# Altium PCB RTM_SFP.PcbDoc (part 14 of 17) (continued)
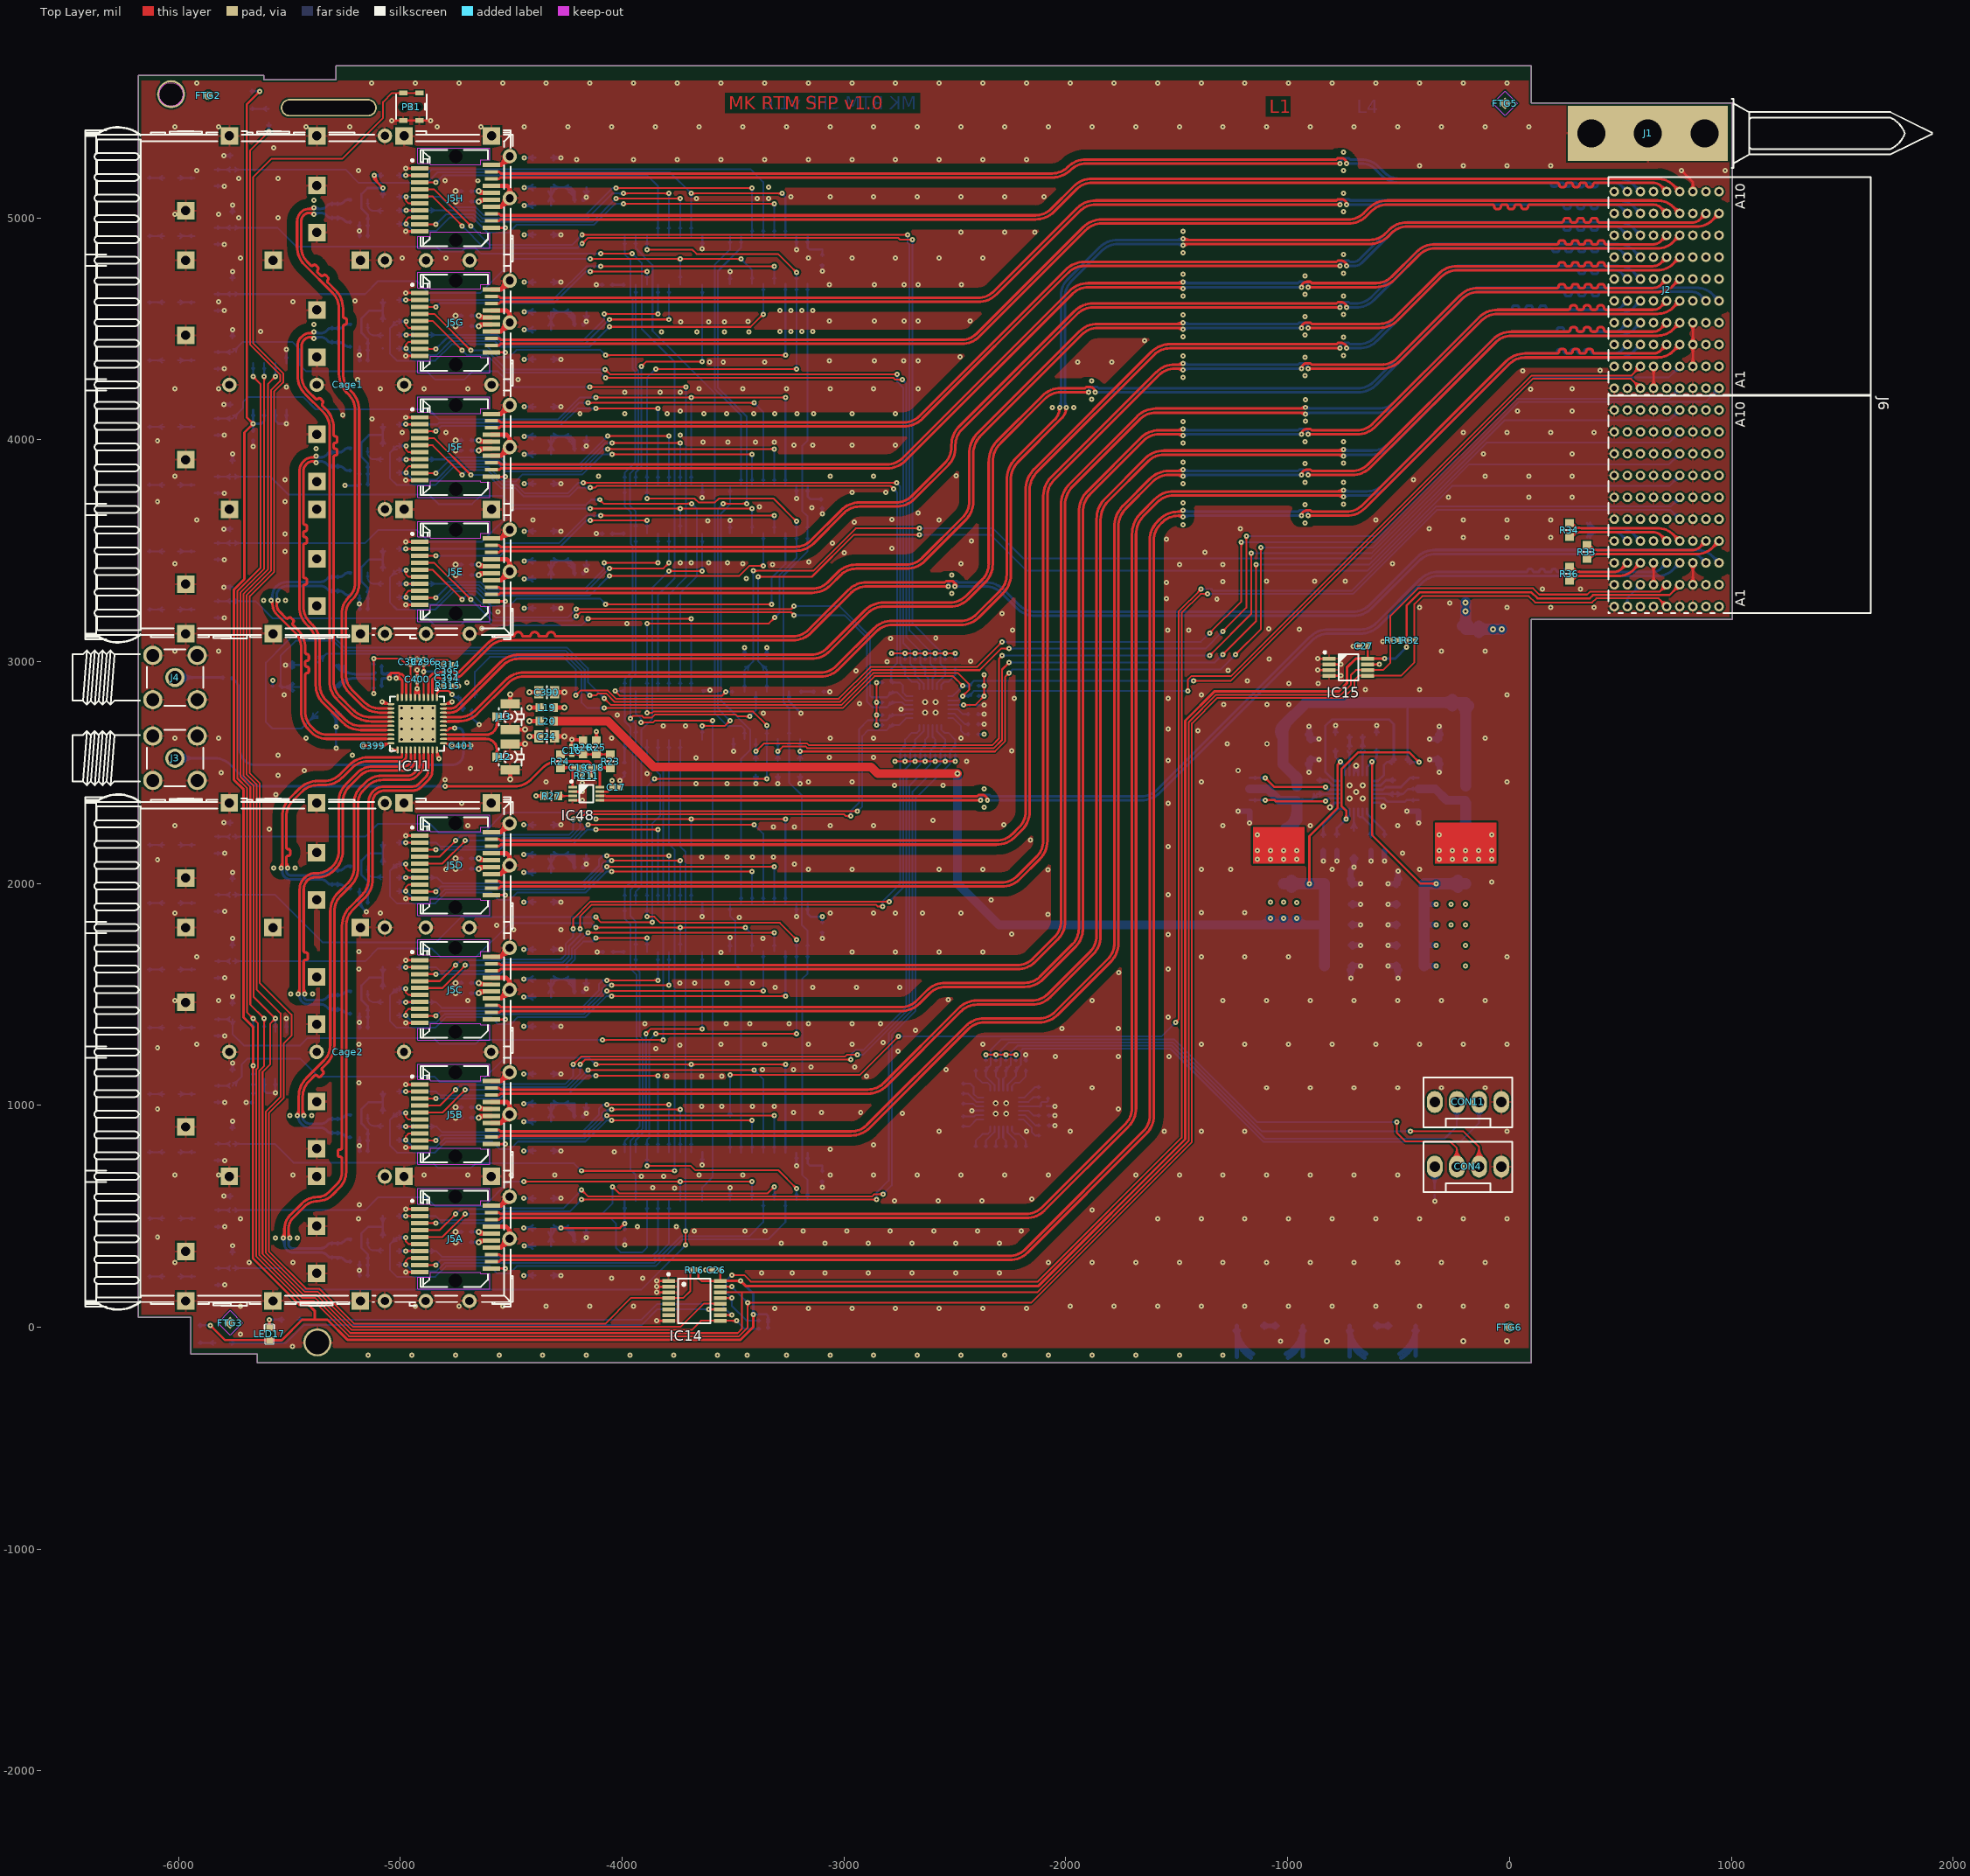
[diagram p0: Top Layer view]
## Nets (pads, with @x,y where several pads share a name; then routed paths per layer and width w, separated by ;. In a path a pad name is that pad's centre, name@x,y a point inside that pad or via, vN(x,y) a via of type N, cw(c..) or ccw(c..) an arc to the next point about the centre after c; other vN are vias at no path point) (continued)
SFP_LED1_4: IC4.11 IC5.6 R10E.2 T2E.1 | length 3364.8
  Top Layer w7.99: v1(-4143.31,3690.4) v1(-3738.78,3690.4) ; v1@-3736.66,3690.4 v1(-3414.17,3690.4) ; -4124.44,3690.4 cw(c-4124.44,3709.26) -4137.78,3695.92 ccw(c-4124.44,3709.26) -4124.44,3690.4 ; -4124.44,3690.4 ccw(c-4124.44,3671.53) -4137.78,3684.87 cw(c-4124.44,3671.53) -4124.44,3690.4 ; -3757.65,3690.4 cw(c-3757.65,3671.53) -3744.31,3684.87 ccw(c-3757.65,3671.53) -3757.65,3690.4 ; -3757.65,3690.4 ccw(c-3757.65,3709.26) -3744.31,3695.92 cw(c-3757.65,3709.26) -3757.65,3690.4 ; -3719.91,3690.4 cw(c-3719.91,3709.26) -3733.25,3695.92 ccw(c-3719.91,3709.26) -3719.91,3690.4 ; -3719.91,3690.4 ccw(c-3719.91,3671.53) -3733.25,3684.87 cw(c-3719.91,3671.53) -3719.91,3690.4 ; -3433.04,3690.4 cw(c-3433.04,3671.53) -3419.7,3684.87 ccw(c-3433.04,3671.53) -3433.04,3690.4 ; -3433.04,3690.4 ccw(c-3433.04,3709.26) -3419.7,3695.92 cw(c-3433.04,3709.26) -3433.04,3690.4
  Bottom Layer w7.99: T2E.1@-5836.61,3534.45 R10E.2@-5756.69,3534.45 -5158.86,3534.45 -5100.79,3592.52 -4925.59,3592.52 -4873.23,3540.16 -4631.1,3540.16 -4480.86,3690.4 v1(-4143.31,3690.4) ; T2E.1@-5822.52,3528.23 cw(c-5807.5,3513.21) -5807.5,3534.45 cw(c-5807.5,3555.69) T2E.1@-5822.52,3540.67 ; R10E.2@-5768.36,3524.75 ccw(c-5791.79,3501.32) -5791.79,3534.45 ccw(c-5791.79,3567.57) R10E.2@-5768.36,3544.15 ; R10E.2@-5745.02,3524.75 cw(c-5721.6,3501.32) -5721.6,3534.45 cw(c-5721.6,3567.57) R10E.2@-5745.02,3544.15 ; IC4.11@-3744.44,3610.13 ccw(c-3758.1,3623.8) -3738.78,3623.8 ccw(c-3719.46,3623.8) IC4.11@-3733.12,3610.13 ; IC4.11@-3738.78,3576.47 v1(-3738.78,3690.4) ; IC5.6@-3419.7,3604.4 ccw(c-3433.04,3617.74) -3414.17,3617.74 ccw(c-3395.31,3617.74) IC5.6@-3408.65,3604.4 ; IC5.6@-3414.17,3580.17 v1(-3414.17,3690.4) ; -4162.17,3690.4 cw(c-4162.17,3671.53) -4148.83,3684.87 ccw(c-4162.17,3671.53) -4162.17,3690.4 ; -4162.17,3690.4 ccw(c-4162.17,3709.26) -4148.83,3695.92 cw(c-4162.17,3709.26) -4162.17,3690.4 ; -3738.78,3671.53 cw(c-3719.91,3671.53) -3733.25,3684.87 ccw(c-3719.91,3671.53) -3738.78,3671.53 ; -3738.78,3671.53 ccw(c-3757.65,3671.53) -3744.31,3684.87 cw(c-3757.65,3671.53) -3738.78,3671.53 ; -3414.17,3671.53 cw(c-3395.31,3671.53) -3408.65,3684.87 ccw(c-3395.31,3671.53) -3414.17,3671.53 ; -3414.17,3671.53 ccw(c-3433.04,3671.53) -3419.7,3684.87 cw(c-3433.04,3671.53) -3414.17,3671.53
SFP_LED1_5: IC6.7 IC7.14 R10D.2 T2D.1 | length 4032.2
  Top Layer w7.99: v1(-4118.9,2290.15) v1(-3688.78,2290.15) v1(-3264.17,2290.15) ; -4100.03,2290.15 cw(c-4100.03,2309.02) -4113.37,2295.68 ccw(c-4100.03,2309.02) -4100.03,2290.15 ; -4100.03,2290.15 ccw(c-4100.03,2271.28) -4113.37,2284.62 cw(c-4100.03,2271.28) -4100.03,2290.15 ; -3707.65,2290.15 cw(c-3707.65,2271.28) -3694.31,2284.62 ccw(c-3707.65,2271.28) -3707.65,2290.15 ; -3707.65,2290.15 ccw(c-3707.65,2309.02) -3694.31,2295.68 cw(c-3707.65,2309.02) -3707.65,2290.15 ; -3669.91,2290.15 cw(c-3669.91,2309.02) -3683.25,2295.68 ccw(c-3669.91,2309.02) -3669.91,2290.15 ; -3669.91,2290.15 ccw(c-3669.91,2271.28) -3683.25,2284.62 cw(c-3669.91,2271.28) -3669.91,2290.15 ; -3283.04,2290.15 cw(c-3283.04,2271.28) -3269.7,2284.62 ccw(c-3283.04,2271.28) -3283.04,2290.15 ; -3283.04,2290.15 ccw(c-3283.04,2309.02) -3269.7,2295.68 cw(c-3283.04,2309.02) -3283.04,2290.15
  Bottom Layer w7.99: T2D.1@-5835.63,2210.63 -5778.54,2210.63 ; T2D.1@-5821.53,2204.41 cw(c-5806.51,2189.39) -5806.51,2210.63 cw(c-5806.51,2231.87) T2D.1@-5821.53,2216.85 ; R10D.2@-5771.49,2205.76 ccw(c-5778.54,2203.09) -5778.54,2210.63 ccw(c-5778.54,2218.17) R10D.2@-5771.49,2215.5 ; R10D.2@-5768.36,2200.93 ccw(c-5791.79,2177.51) -5791.79,2210.63 ccw(c-5791.79,2243.75) R10D.2@-5768.36,2220.33 ; R10D.2@-5756.69,2210.63 -5158.86,2210.63 -5100.79,2268.7 -4866.09,2268.7 -4826.09,2228.7 -4622.09,2228.7 -4530.71,2320.08 -4148.83,2320.08 v1(-4118.9,2290.15) ; R10D.2@-5745.02,2200.93 cw(c-5721.6,2177.51) -5721.6,2210.63 cw(c-5721.6,2243.75) R10D.2@-5745.02,2220.33 ; IC6.7@-3694.44,1945.09 ccw(c-3708.1,1958.75) -3688.78,1958.75 ccw(c-3669.46,1958.75) IC6.7@-3683.12,1945.09 ; IC6.7@-3688.78,1911.43 v1(-3688.78,2290.15) ; IC7.14@-3269.7,1931.95 ccw(c-3283.04,1945.29) -3264.17,1945.29 ccw(c-3245.31,1945.29) IC7.14@-3258.65,1931.95 ; IC7.14@-3264.17,1907.72 v1(-3264.17,2290.15) ; -4132.24,2303.49 cw(c-4145.58,2290.15) -4126.71,2290.15 ccw(c-4145.58,2290.15) -4132.24,2303.49 ; -4132.24,2303.49 ccw(c-4118.9,2316.83) -4118.9,2297.96 cw(c-4118.9,2316.83) -4132.24,2303.49 ; -3688.78,2271.28 cw(c-3669.91,2271.28) -3683.25,2284.62 ccw(c-3669.91,2271.28) -3688.78,2271.28 ; -3688.78,2271.28 ccw(c-3707.65,2271.28) -3694.31,2284.62 cw(c-3707.65,2271.28) -3688.78,2271.28 ; -3264.17,2271.28 cw(c-3245.31,2271.28) -3258.65,2284.62 ccw(c-3245.31,2271.28) -3264.17,2271.28 ; -3264.17,2271.28 ccw(c-3283.04,2271.28) -3269.7,2284.62 cw(c-3283.04,2271.28) -3264.17,2271.28
SFP_LED1_6: IC6.11 IC7.6 R10C.2 T2C.1 | length 3339.5
  Top Layer w7.99: v1(-4118.9,1800.78) v1(-3738.78,1800.78) v1(-3444.49,1800.78) ; -4100.03,1800.78 cw(c-4100.03,1819.65) -4113.37,1806.31 ccw(c-4100.03,1819.65) -4100.03,1800.78 ; -4100.03,1800.78 ccw(c-4100.03,1781.91) -4113.37,1795.25 cw(c-4100.03,1781.91) -4100.03,1800.78 ; -3757.65,1800.78 cw(c-3757.65,1781.91) -3744.31,1795.25 ccw(c-3757.65,1781.91) -3757.65,1800.78 ; -3757.65,1800.78 ccw(c-3757.65,1819.65) -3744.31,1806.31 cw(c-3757.65,1819.65) -3757.65,1800.78 ; -3719.91,1800.78 cw(c-3719.91,1819.65) -3733.25,1806.31 ccw(c-3719.91,1819.65) -3719.91,1800.78 ; -3719.91,1800.78 ccw(c-3719.91,1781.91) -3733.25,1795.25 cw(c-3719.91,1781.91) -3719.91,1800.78 ; -3463.36,1800.78 cw(c-3463.36,1781.91) -3450.01,1795.25 ccw(c-3463.36,1781.91) -3463.36,1800.78 ; -3463.36,1800.78 ccw(c-3463.36,1819.65) -3450.01,1806.31 cw(c-3463.36,1819.65) -3463.36,1800.78
  Bottom Layer w7.99: T2C.1@-5835.63,1649.61 -5778.54,1649.61 ; T2C.1@-5821.53,1643.38 cw(c-5806.51,1628.36) -5806.51,1649.61 cw(c-5806.51,1670.85) T2C.1@-5821.53,1655.83 ; R10C.2@-5771.49,1644.74 ccw(c-5778.54,1642.06) -5778.54,1649.61 ccw(c-5778.54,1657.15) R10C.2@-5771.49,1654.47 ; R10C.2@-5768.36,1639.9 ccw(c-5791.79,1616.48) -5791.79,1649.61 ccw(c-5791.79,1682.73) R10C.2@-5768.36,1659.31 ; R10C.2@-5756.69,1649.61 -5158.86,1649.61 -5100.79,1707.68 -4859.64,1707.68 -4819.65,1667.68 -4659.49,1667.68 -4506.69,1820.47 -4138.59,1820.47 v1(-4118.9,1800.78) ; R10C.2@-5745.02,1639.9 cw(c-5721.6,1616.48) -5721.6,1649.61 cw(c-5721.6,1682.73) R10C.2@-5745.02,1659.31 ; IC6.11@-3744.44,1725.09 ccw(c-3758.1,1738.75) -3738.78,1738.75 ccw(c-3719.46,1738.75) IC6.11@-3733.12,1725.09 ; IC6.11@-3738.78,1691.43 v1(-3738.78,1800.78) ; v1(-3444.49,1800.78) -3414.17,1770.46 IC7.6@-3414.17,1695.13 ; IC7.6@-3419.7,1719.35 ccw(c-3433.04,1732.69) -3414.17,1732.69 ccw(c-3395.31,1732.69) IC7.6@-3408.65,1719.35 ; -4132.24,1814.12 cw(c-4145.58,1800.78) -4126.71,1800.78 ccw(c-4145.58,1800.78) -4132.24,1814.12 ; -4132.24,1814.12 ccw(c-4118.9,1827.46) -4118.9,1808.59 cw(c-4118.9,1827.46) -4132.24,1814.12 ; -3738.78,1781.91 cw(c-3719.91,1781.91) -3733.25,1795.25 ccw(c-3719.91,1781.91) -3738.78,1781.91 ; -3738.78,1781.91 ccw(c-3757.65,1781.91) -3744.31,1795.25 cw(c-3757.65,1781.91) -3738.78,1781.91 ; -3431.15,1787.44 cw(c-3417.81,1800.78) -3436.67,1800.78 ccw(c-3417.81,1800.78) -3431.15,1787.44 ; -3431.15,1787.44 ccw(c-3444.49,1774.1) -3444.49,1792.96 cw(c-3444.49,1774.1) -3431.15,1787.44
SFP_LED1_7: IC8.7 IC9.14 R10B.2 T2B.1 | length 4155.4
  Top Layer w7.99: v1(-4118.9,1183.85) v1(-3688.78,1183.85) v1(-3264.17,1183.85) ; -4100.03,1183.85 cw(c-4100.03,1202.72) -4113.37,1189.38 ccw(c-4100.03,1202.72) -4100.03,1183.85 ; -4100.03,1183.85 ccw(c-4100.03,1164.98) -4113.37,1178.32 cw(c-4100.03,1164.98) -4100.03,1183.85 ; -3707.65,1183.85 cw(c-3707.65,1164.98) -3694.31,1178.32 ccw(c-3707.65,1164.98) -3707.65,1183.85 ; -3707.65,1183.85 ccw(c-3707.65,1202.72) -3694.31,1189.38 cw(c-3707.65,1202.72) -3707.65,1183.85 ; -3669.91,1183.85 cw(c-3669.91,1202.72) -3683.25,1189.38 ccw(c-3669.91,1202.72) -3669.91,1183.85 ; -3669.91,1183.85 ccw(c-3669.91,1164.98) -3683.25,1178.32 cw(c-3669.91,1164.98) -3669.91,1183.85 ; -3283.04,1183.85 cw(c-3283.04,1164.98) -3269.7,1178.32 ccw(c-3283.04,1164.98) -3283.04,1183.85 ; -3283.04,1183.85 ccw(c-3283.04,1202.72) -3269.7,1189.38 cw(c-3283.04,1202.72) -3283.04,1183.85
  Bottom Layer w7.99: T2B.1@-5835.63,1088.58 -5778.54,1088.58 ; T2B.1@-5821.53,1082.36 cw(c-5806.51,1067.34) -5806.51,1088.58 cw(c-5806.51,1109.83) T2B.1@-5821.53,1094.8 ; R10B.2@-5771.49,1083.72 ccw(c-5778.54,1081.04) -5778.54,1088.58 ccw(c-5778.54,1096.13) R10B.2@-5771.49,1093.45 ; R10B.2@-5768.36,1078.88 ccw(c-5791.79,1055.46) -5791.79,1088.58 ccw(c-5791.79,1121.71) R10B.2@-5768.36,1098.28 ; R10B.2@-5756.69,1088.58 -5714.57,1130.71 -5714.57,1185.04 -5688.58,1211.02 -5451.57,1211.02 -5370.67,1130.12 -4846.65,1130.12 -4823.19,1106.65 -4637.44,1106.65 -4530.31,1213.78 -4148.83,1213.78 v1(-4118.9,1183.85) ; R10B.2@-5754.72,1102.3 ccw(c-5754.72,1130.68) -5734.66,1110.61 ; R10B.2@-5741,1088.58 cw(c-5703.13,1088.58) -5729.91,1115.36 ; IC8.7@-3694.44,823.04 ccw(c-3708.1,836.7) -3688.78,836.7 ccw(c-3669.46,836.7) IC8.7@-3683.12,823.04 ; IC8.7@-3688.78,789.38 v1(-3688.78,1183.85) ; IC9.14@-3269.7,809.9 ccw(c-3283.04,823.24) -3264.17,823.24 ccw(c-3245.31,823.24) IC9.14@-3258.65,809.9 ; IC9.14@-3264.17,785.68 v1(-3264.17,1183.85) ; -4132.24,1197.19 cw(c-4145.58,1183.85) -4126.71,1183.85 ccw(c-4145.58,1183.85) -4132.24,1197.19 ; -4132.24,1197.19 ccw(c-4118.9,1210.53) -4118.9,1191.66 cw(c-4118.9,1210.53) -4132.24,1197.19 ; -3688.78,1164.98 cw(c-3669.91,1164.98) -3683.25,1178.32 ccw(c-3669.91,1164.98) -3688.78,1164.98 ; -3688.78,1164.98 ccw(c-3707.65,1164.98) -3694.31,1178.32 cw(c-3707.65,1164.98) -3688.78,1164.98 ; -3264.17,1164.98 cw(c-3245.31,1164.98) -3258.65,1178.32 ccw(c-3245.31,1164.98) -3264.17,1164.98 ; -3264.17,1164.98 ccw(c-3283.04,1164.98) -3269.7,1178.32 cw(c-3283.04,1164.98) -3264.17,1164.98
SFP_LED1_8: IC8.11 IC9.6 R10A.2 T2A.1 | length 3285.2
  Top Layer w7.99: v1(-4443.28,656.3) v1(-3738.58,656.3) v1(-3414.17,656.3) ; -4424.41,656.3 cw(c-4424.41,675.17) -4437.75,661.83 ccw(c-4424.41,675.17) -4424.41,656.3 ; -4424.41,656.3 ccw(c-4424.41,637.43) -4437.75,650.77 cw(c-4424.41,637.43) -4424.41,656.3 ; -3757.45,656.3 cw(c-3757.45,637.43) -3744.11,650.77 ccw(c-3757.45,637.43) -3757.45,656.3 ; -3757.45,656.3 ccw(c-3757.45,675.17) -3744.11,661.83 cw(c-3757.45,675.17) -3757.45,656.3 ; -3719.72,656.3 cw(c-3719.72,675.17) -3733.06,661.83 ccw(c-3719.72,675.17) -3719.72,656.3 ; -3719.72,656.3 ccw(c-3719.72,637.43) -3733.06,650.77 cw(c-3719.72,637.43) -3719.72,656.3 ; -3433.04,656.3 cw(c-3433.04,637.43) -3419.7,650.77 ccw(c-3433.04,637.43) -3433.04,656.3 ; -3433.04,656.3 ccw(c-3433.04,675.17) -3419.7,661.83 cw(c-3433.04,675.17) -3433.04,656.3
  Bottom Layer w7.99: T2A.1@-5835.06,527.51 -5777.97,527.51 ; T2A.1@-5820.96,521.29 cw(c-5805.94,506.27) -5805.94,527.51 cw(c-5805.94,548.75) T2A.1@-5820.96,533.73 ; R10A.2@-5771.62,523 ccw(c-5777.97,520.79) -5777.97,527.51 ; R10A.2@-5771.62,532.02 cw(c-5777.97,534.23) -5777.97,527.51 ; R10A.2@-5768.36,517.81 ccw(c-5791.79,494.39) -5791.79,527.51 ccw(c-5791.79,560.63) R10A.2@-5768.36,537.21 ; R10A.2@-5756.69,527.51 -5158.86,527.51 -5100.79,585.58 -4884.01,585.58 -4843.7,545.28 -4843.35,545.63 -4622.87,545.63 -4512.2,656.3 v1(-4443.28,656.3) ; R10A.2@-5745.02,517.81 cw(c-5721.6,494.39) -5721.6,527.51 cw(c-5721.6,560.63) R10A.2@-5745.02,537.21 ; IC8.11@-3744.44,603.04 ccw(c-3758.1,616.7) -3738.78,616.7 ccw(c-3719.46,616.7) IC8.11@-3733.12,603.04 ; IC8.11@-3738.78,569.38 v1@-3738.78,656.1 ; IC9.6@-3419.7,597.31 ccw(c-3433.04,610.65) -3414.17,610.65 ccw(c-3395.31,610.65) IC9.6@-3408.65,597.31 ; IC9.6@-3414.17,573.08 v1(-3414.17,656.3) ; -4462.14,656.3 cw(c-4462.14,637.43) -4448.8,650.77 ccw(c-4462.14,637.43) -4462.14,656.3 ; -4462.14,656.3 ccw(c-4462.14,675.17) -4448.8,661.83 cw(c-4462.14,675.17) -4462.14,656.3 ; -3414.17,637.43 cw(c-3395.31,637.43) -3408.65,650.77 ccw(c-3395.31,637.43) -3414.17,637.43 ; -3414.17,637.43 ccw(c-3433.04,637.43) -3419.7,650.77 cw(c-3433.04,637.43) -3414.17,637.43 ; v1@-3744.11,650.77 cw(c-3756.97,637.91) -3738.78,637.91 ccw(c-3756.97,637.91) v1@-3744.11,650.77 ; -3738.78,636.96 cw(c-3719.24,636.96) -3733.06,650.77 ccw(c-3719.24,636.96) -3738.78,636.96
SFP_LED2_1: IC10.4 R12H.2 T1H.1 | length 4430.6
  Top Layer w7.99: v1(-4097.64,4838.98) v1@-3954.72,4838.98 ; -4078.77,4838.98 cw(c-4078.77,4857.84) -4092.11,4844.5 ccw(c-4078.77,4857.84) -4078.77,4838.98 ; -4078.77,4838.98 ccw(c-4078.77,4820.11) -4092.11,4833.45 cw(c-4078.77,4820.11) -4078.77,4838.98 ; -3973.87,4838.98 ccw(c-3973.87,4858.52) -3960.05,4844.7 cw(c-3973.87,4858.52) -3973.87,4838.98 ; -3972.92,4838.98 cw(c-3972.92,4820.78) -3960.05,4833.65 ccw(c-3972.92,4820.78) -3972.92,4838.98
  Bottom Layer w7.99: T1H.1@-5836.61,4955.71 -5554.53,4955.71 -5469.68,4870.87 -4838.98,4870.87 -4816.93,4848.82 -4722.05,4848.82 -4705.91,4864.96 -4663.39,4864.96 -4637.4,4838.98 v1(-4097.64,4838.98) ; T1H.1@-5822.52,4949.49 cw(c-5807.5,4934.47) -5807.5,4955.71 cw(c-5807.5,4976.95) T1H.1@-5822.52,4961.93 ; R12H.2@-5768.36,4946.01 ccw(c-5791.79,4922.59) -5791.79,4955.71 ccw(c-5791.79,4988.83) R12H.2@-5768.36,4965.41 ; R12H.2@-5745.02,4946.01 cw(c-5721.6,4922.59) -5721.6,4955.71 cw(c-5721.6,4988.83) R12H.2@-5745.02,4965.41 ; v1(-3954.53,4839.17) -3911.98,4796.62 -3911.98,4499.77 -3763.78,4351.57 -3763.78,3374.8 -3838.78,3299.8 IC10.4@-3838.78,2867.13 ; IC10.4@-3844.44,2900.79 ccw(c-3858.1,2914.45) -3838.78,2914.45 ccw(c-3819.46,2914.45) IC10.4@-3833.12,2900.79 ; -4116.5,4838.98 cw(c-4116.5,4820.11) -4103.16,4833.45 ccw(c-4116.5,4820.11) -4116.5,4838.98 ; -4116.5,4838.98 ccw(c-4116.5,4857.84) -4103.16,4844.5 cw(c-4116.5,4857.84) -4116.5,4838.98 ; -3941.19,4825.83 cw(c-3927.85,4839.17) -3946.71,4839.17 ccw(c-3927.85,4839.17) -3941.19,4825.83 ; -3941.19,4825.83 ccw(c-3954.53,4812.49) -3954.53,4831.36 cw(c-3954.53,4812.49) -3941.19,4825.83
SFP_LED2_2: IC10.5 R12G.2 T1G.1 | length 4103.8
  Top Layer w7.99: v1(-4146.06,4238.19) v1(-3713.39,4238.19) ; -4127.2,4238.19 cw(c-4127.2,4257.06) -4140.54,4243.72 ccw(c-4127.2,4257.06) -4127.2,4238.19 ; -4127.2,4238.19 ccw(c-4127.2,4219.32) -4140.54,4232.66 cw(c-4127.2,4219.32) -4127.2,4238.19 ; -3732.25,4238.19 cw(c-3732.25,4219.32) -3718.91,4232.66 ccw(c-3732.25,4219.32) -3732.25,4238.19 ; -3732.25,4238.19 ccw(c-3732.25,4257.06) -3718.91,4243.72 cw(c-3732.25,4257.06) -3732.25,4238.19
  Bottom Layer w7.99: T1G.1@-5836.61,4394.69 R12G.2@-5756.69,4394.69 -5710.43,4440.94 -5488.19,4440.94 -5453.94,4406.69 -5453.94,4337.01 -5424.8,4307.87 -4879.92,4307.87 -4844.09,4272.05 -4711.42,4272.05 -4675.59,4307.87 -4560.63,4307.87 -4490.94,4238.19 v1(-4146.06,4238.19) ; T1G.1@-5822.52,4388.46 cw(c-5807.5,4373.44) -5807.5,4394.69 cw(c-5807.5,4415.93) T1G.1@-5822.52,4400.91 ; R12G.2@-5768.36,4384.98 ccw(c-5791.78,4361.56) -5791.78,4394.69 ccw(c-5791.79,4427.81) R12G.2@-5768.36,4404.39 ; R12G.2@-5754.72,4408.41 ccw(c-5754.72,4436.78) -5734.66,4416.72 ; R12G.2@-5741,4394.69 cw(c-5703.13,4394.69) -5729.91,4421.47 ; IC10.5@-3794.44,2900.79 ccw(c-3808.1,2914.45) -3788.78,2914.45 ccw(c-3769.46,2914.45) IC10.5@-3783.12,2900.79 ; IC10.5@-3788.78,2867.13 -3788.78,3302.95 -3712.99,3378.74 v1@-3712.99,4237.8 ; -4164.93,4238.19 cw(c-4164.93,4219.32) -4151.59,4232.66 ccw(c-4164.93,4219.32) -4164.93,4238.19 ; -4164.93,4238.19 ccw(c-4164.93,4257.06) -4151.59,4243.72 cw(c-4164.93,4257.06) -4164.93,4238.19 ; v1@-3718.91,4232.66 cw(c-3733.2,4218.37) -3712.99,4218.37 ccw(c-3733.2,4218.37) v1@-3718.91,4232.66 ; -3712.99,4220.27 cw(c-3695.47,4220.27) -3707.86,4232.66 ccw(c-3695.47,4220.27) -3712.99,4220.27
SFP_LED2_3: IC10.6 R12F.2 T1F.1 | length 3572.3
  Top Layer w7.99: v1@-4101.96,3730.07 ccw(c-4088.72,3732.78) -4092.22,3719.72 ; v1(-4101.79,3730.1) -4083.89,3712.2 v1(-3686.22,3712.2) ; v1@-4101.75,3730.28 cw(c-4104.46,3717.04) -4091.41,3720.53 ; -4088.45,3716.76 cw(c-4075.11,3730.1) -4093.97,3730.1 ccw(c-4075.11,3730.1) -4088.45,3716.76 ; -4088.45,3716.76 ccw(c-4101.79,3703.42) -4101.79,3722.29 cw(c-4101.79,3703.42) -4088.45,3716.76 ; -3705.09,3712.2 cw(c-3705.09,3693.34) -3691.75,3706.68 ccw(c-3705.09,3693.34) -3705.09,3712.2 ; -3705.09,3712.2 ccw(c-3705.09,3731.07) -3691.75,3717.73 cw(c-3705.09,3731.07) -3705.09,3712.2
  Bottom Layer w7.99: T1F.1@-5836.61,3833.66 -5586.02,3833.66 -5504.33,3751.97 -4870.47,3751.97 -4828.15,3709.65 -4677.17,3709.65 -4640.75,3746.06 -4541.34,3746.06 -4500.98,3705.71 -4164.37,3705.71 -4139.98,3730.1 v1(-4101.79,3730.1) ; T1F.1@-5822.52,3827.44 cw(c-5807.5,3812.42) -5807.5,3833.66 cw(c-5807.5,3854.9) T1F.1@-5822.52,3839.88 ; R12F.2@-5768.36,3823.96 ccw(c-5791.79,3800.54) -5791.79,3833.66 ccw(c-5791.79,3866.79) R12F.2@-5768.36,3843.36 ; R12F.2@-5745.02,3823.96 cw(c-5721.6,3800.54) -5721.6,3833.66 cw(c-5721.6,3866.79) R12F.2@-5745.02,3843.36 ; IC10.6@-3744.44,2900.79 ccw(c-3758.1,2914.45) -3738.78,2914.45 ccw(c-3719.46,2914.45) IC10.6@-3733.12,2900.79 ; IC10.6@-3738.78,2867.13 -3738.78,3308.86 -3662.6,3385.04 -3662.6,3688.58 v1(-3686.22,3712.2) ; -4120.65,3730.1 cw(c-4120.65,3711.24) -4107.31,3724.58 ccw(c-4120.65,3711.24) -4120.65,3730.1 ; -4120.65,3730.1 ccw(c-4120.65,3748.97) -4107.31,3735.63 cw(c-4120.65,3748.97) -4120.65,3730.1 ; -3672.88,3698.86 cw(c-3659.54,3712.2) -3678.41,3712.2 ccw(c-3659.54,3712.2) -3672.88,3698.86 ; -3672.88,3698.86 ccw(c-3686.22,3685.52) -3686.22,3704.39 cw(c-3686.22,3685.52) -3672.88,3698.86
SFP_LED2_4: IC10.7 R12E.2 T1E.1 | length 2949.7
  Top Layer w7.99: v1(-4153.74,3193.5) v1(-3688.78,3193.5) ; -4134.87,3193.5 cw(c-4134.87,3212.37) -4148.21,3199.03 ccw(c-4134.87,3212.37) -4134.87,3193.5 ; -4134.87,3193.5 ccw(c-4134.87,3174.64) -4148.21,3187.98 cw(c-4134.87,3174.64) -4134.87,3193.5 ; -3707.65,3193.5 cw(c-3707.65,3174.64) -3694.31,3187.98 ccw(c-3707.65,3174.64) -3707.65,3193.5 ; -3707.65,3193.5 ccw(c-3707.65,3212.37) -3694.31,3199.03 cw(c-3707.65,3212.37) -3707.65,3193.5
  Bottom Layer w7.99: T1E.1@-5836.61,3272.64 R12E.2@-5756.69,3272.64 -5653.35,3272.64 -5575.59,3194.88 -4876.77,3194.88 -4844.88,3162.99 -4729.13,3162.99 -4712.74,3179.39 -4601.14,3179.39 -4585.93,3164.17 -4183.07,3164.17 v1(-4153.74,3193.5) ; T1E.1@-5822.52,3266.42 cw(c-5807.5,3251.4) -5807.5,3272.64 cw(c-5807.5,3293.88) T1E.1@-5822.52,3278.86 ; R12E.2@-5768.36,3262.94 ccw(c-5791.78,3239.52) -5791.78,3272.64 ccw(c-5791.79,3305.77) R12E.2@-5768.36,3282.34 ; R12E.2@-5745.02,3262.94 cw(c-5721.6,3239.51) -5721.6,3272.64 cw(c-5721.6,3305.76) R12E.2@-5745.02,3282.34 ; IC10.7@-3694.44,2900.79 ccw(c-3708.1,2914.45) -3688.78,2914.45 ccw(c-3669.46,2914.45) IC10.7@-3683.12,2900.79 ; IC10.7@-3688.78,2867.13 v1(-3688.78,3193.5) ; -4167.08,3180.16 cw(c-4153.74,3166.82) -4153.74,3185.69 ccw(c-4153.74,3166.82) -4167.08,3180.16 ; -4167.08,3180.16 ccw(c-4180.42,3193.5) -4161.56,3193.5 cw(c-4180.42,3193.5) -4167.08,3180.16 ; -3688.78,3174.64 cw(c-3669.91,3174.64) -3683.25,3187.98 ccw(c-3669.91,3174.64) -3688.78,3174.64 ; -3688.78,3174.64 ccw(c-3707.65,3174.64) -3694.31,3187.98 cw(c-3707.65,3174.64) -3688.78,3174.64
SFP_LED2_5: IC10.14 R12D.2 T1D.1 | length 3409.9
  Top Layer w7.99: v1@-4119.07,1848.39 ccw(c-4105.83,1851.1) -4109.33,1838.05 ; v1(-4118.9,1848.43) -4095.28,1824.8 v1(-3863.78,1824.8) ; v1@-4118.86,1848.6 cw(c-4121.57,1835.36) -4108.52,1838.86 ; -4105.56,1835.08 cw(c-4092.22,1848.43) -4111.08,1848.43 ccw(c-4092.22,1848.43) -4105.56,1835.08 ; -4105.56,1835.08 ccw(c-4118.9,1821.74) -4118.9,1840.61 cw(c-4118.9,1821.74) -4105.56,1835.08 ; -3882.65,1824.8 cw(c-3882.65,1805.94) -3869.31,1819.28 ccw(c-3882.65,1805.94) -3882.65,1824.8 ; -3882.65,1824.8 ccw(c-3882.65,1843.67) -3869.31,1830.33 cw(c-3882.65,1843.67) -3882.65,1824.8
  Bottom Layer w7.99: T1D.1@-5835.63,1948.82 -5778.54,1948.82 ; T1D.1@-5821.53,1942.6 cw(c-5806.51,1927.58) -5806.51,1948.82 cw(c-5806.51,1970.06) T1D.1@-5821.53,1955.04 ; R12D.2@-5771.49,1943.95 ccw(c-5778.54,1941.27) -5778.54,1948.82 ; R12D.2@-5771.49,1953.69 cw(c-5778.54,1956.36) -5778.54,1948.82 ; R12D.2@-5768.36,1939.12 ccw(c-5791.78,1915.7) -5791.78,1948.82 ccw(c-5791.79,1981.95) R12D.2@-5768.36,1958.52 ; R12D.2@-5756.69,1948.82 -5564.96,1948.82 -5351.57,1735.43 -4839.37,1735.43 -4726.38,1848.43 v1(-4118.9,1848.43) ; R12D.2@-5745.02,1939.12 cw(c-5721.6,1915.7) -5721.6,1948.82 cw(c-5721.6,1981.94) R12D.2@-5745.02,1958.52 ; IC10.14@-3894.44,2613.47 cw(c-3908.1,2599.8) -3888.78,2599.8 cw(c-3869.46,2599.8) IC10.14@-3883.12,2613.47 ; IC10.14@-3888.78,2647.13 -3888.78,2549.02 -3828.56,2488.8 -3828.56,2306.09 -3863.78,2270.87 v1(-3863.78,1824.8) ; -4137.76,1848.43 cw(c-4137.76,1829.56) -4124.42,1842.9 ccw(c-4137.76,1829.56) -4137.76,1848.43 ; -4137.76,1848.43 ccw(c-4137.76,1867.29) -4124.42,1853.95 cw(c-4137.76,1867.29) -4137.76,1848.43 ; -3863.78,1843.67 cw(c-3882.65,1843.67) -3869.31,1830.33 ccw(c-3882.65,1843.67) -3863.78,1843.67 ; -3863.78,1843.67 ccw(c-3844.91,1843.67) -3858.25,1830.33 cw(c-3844.91,1843.67) -3863.78,1843.67
SFP_LED2_6: IC10.13 R12C.2 T1C.1 | length 3904.9
  Top Layer w7.99: v1(-4088.58,1294.09) v1(-3814.57,1294.09) ; -4069.72,1294.09 cw(c-4069.72,1312.96) -4083.06,1299.62 ccw(c-4069.72,1312.96) -4069.72,1294.09 ; -4069.72,1294.09 ccw(c-4069.72,1275.23) -4083.06,1288.57 cw(c-4069.72,1275.23) -4069.72,1294.09 ; -3833.43,1294.09 cw(c-3833.43,1275.23) -3820.09,1288.57 ccw(c-3833.43,1275.23) -3833.43,1294.09 ; -3833.43,1294.09 ccw(c-3833.43,1312.96) -3820.09,1299.62 cw(c-3833.43,1312.96) -3833.43,1294.09
  Bottom Layer w7.99: T1C.1@-5835.63,1387.8 -5778.54,1387.8 ; T1C.1@-5821.53,1381.57 cw(c-5806.51,1366.55) -5806.51,1387.8 cw(c-5806.51,1409.04) T1C.1@-5821.53,1394.02 ; R12C.2@-5771.49,1382.93 ccw(c-5778.54,1380.25) -5778.54,1387.8 ; R12C.2@-5771.49,1392.66 cw(c-5778.54,1395.34) -5778.54,1387.8 ; R12C.2@-5768.36,1378.09 ccw(c-5791.78,1354.67) -5791.78,1387.8 ccw(c-5791.79,1420.92) R12C.2@-5768.36,1397.5 ; R12C.2@-5766.39,1378.09 cw(c-5789.82,1354.67) -5756.69,1354.67 cw(c-5723.57,1354.67) R12C.2@-5746.99,1378.09 ; R12C.2@-5756.69,1387.8 -5756.69,1321.26 -5704.72,1269.29 -5452.36,1269.29 -5418.11,1303.54 -4850.39,1303.54 -4824.8,1277.95 -4659.84,1277.95 -4643.7,1294.09 v1(-4088.58,1294.09) ; IC10.13@-3844.44,2613.47 cw(c-3858.1,2599.8) -3838.78,2599.8 cw(c-3819.46,2599.8) IC10.13@-3833.12,2613.47 ; IC10.13@-3838.78,2647.13 -3838.78,2532.48 -3814.57,2508.27 v1(-3814.57,1294.09) ; -4107.45,1294.09 cw(c-4107.45,1275.23) -4094.11,1288.57 ccw(c-4107.45,1275.23) -4107.45,1294.09 ; -4107.45,1294.09 ccw(c-4107.45,1312.96) -4094.11,1299.62 cw(c-4107.45,1312.96) -4107.45,1294.09 ; -3814.57,1312.96 cw(c-3833.43,1312.96) -3820.09,1299.62 ccw(c-3833.43,1312.96) -3814.57,1312.96 ; -3814.57,1312.96 ccw(c-3795.7,1312.96) -3809.04,1299.62 cw(c-3795.7,1312.96) -3814.57,1312.96
SFP_LED2_7: IC10.12 R12B.2 T1B.1 | length 4493.1
  Top Layer w7.99: v1(-4183.07,704.72) v1(-3764.17,704.72) ; -4164.2,704.72 cw(c-4164.2,723.59) -4177.54,710.25 ccw(c-4164.2,723.59) -4164.2,704.72 ; -4164.2,704.72 ccw(c-4164.2,685.86) -4177.54,699.2 cw(c-4164.2,685.86) -4164.2,704.72 ; -3783.04,704.72 cw(c-3783.04,685.86) -3769.7,699.2 ccw(c-3783.04,685.86) -3783.04,704.72 ; -3783.04,704.72 ccw(c-3783.04,723.59) -3769.7,710.25 cw(c-3783.04,723.59) -3783.04,704.72
  Bottom Layer w7.99: T1B.1@-5835.63,826.77 -5778.54,826.77 ; T1B.1@-5821.53,820.55 cw(c-5806.51,805.53) -5806.51,826.77 cw(c-5806.51,848.02) T1B.1@-5821.53,832.99 ; R12B.2@-5771.49,821.9 ccw(c-5778.54,819.23) -5778.54,826.77 ; R12B.2@-5771.49,831.64 cw(c-5778.54,834.32) -5778.54,826.77 ; R12B.2@-5768.36,817.07 ccw(c-5791.78,793.65) -5791.78,826.77 ccw(c-5791.79,859.9) R12B.2@-5768.36,836.47 ; R12B.2@-5756.69,826.77 -5566.54,826.77 -5481.5,741.73 -4853.94,741.73 -4830.31,718.11 -4681.5,718.11 -4660.63,738.98 -4217.32,738.98 v1(-4183.07,704.72) ; R12B.2@-5745.02,817.07 cw(c-5721.6,793.65) -5721.6,826.77 cw(c-5721.6,859.9) R12B.2@-5745.02,836.47 ; IC10.12@-3794.44,2613.47 cw(c-3808.1,2599.8) -3788.78,2599.8 cw(c-3769.46,2599.8) IC10.12@-3783.12,2613.47 ; IC10.12@-3788.78,2647.13 -3788.78,2177.36 -3764.17,2152.76 v1(-3764.17,704.72) ; -4196.41,718.07 cw(c-4209.75,704.72) -4190.89,704.72 ccw(c-4209.75,704.72) -4196.41,718.07 ; -4196.41,718.07 ccw(c-4183.07,731.41) -4183.07,712.54 cw(c-4183.07,731.41) -4196.41,718.07 ; -3764.17,723.59 cw(c-3783.04,723.59) -3769.7,710.25 ccw(c-3783.04,723.59) -3764.17,723.59 ; -3764.17,723.59 ccw(c-3745.31,723.59) -3758.65,710.25 cw(c-3745.31,723.59) -3764.17,723.59
SFP_LED2_8: IC10.11 R12A.2 T1A.1 | length 4931.5
  Top Layer w7.99: v1(-3714.17,370.08) v1(-3714.17,434.65) ; -3714.17,388.95 cw(c-3733.04,388.95) -3719.7,375.6 ccw(c-3733.04,388.95) -3714.17,388.95 ; -3714.17,388.95 ccw(c-3695.31,388.95) -3708.65,375.6 cw(c-3695.31,388.95) -3714.17,388.95 ; -3714.17,415.78 cw(c-3695.31,415.78) -3708.65,429.12 ccw(c-3695.31,415.78) -3714.17,415.78 ; -3714.17,415.78 ccw(c-3733.04,415.78) -3719.7,429.12 cw(c-3733.04,415.78) -3714.17,415.78
  Bottom Layer w7.99: T1A.1@-5835.06,265.7 -5777.97,265.7 ; T1A.1@-5820.96,259.48 cw(c-5805.94,244.46) -5805.94,265.7 cw(c-5805.94,286.94) T1A.1@-5820.96,271.92 ; R12A.2@-5771.62,261.19 ccw(c-5777.97,258.98) -5777.97,265.7 ; R12A.2@-5771.62,270.21 cw(c-5777.97,272.42) -5777.97,265.7 ; R12A.2@-5768.36,256 ccw(c-5791.78,232.58) -5791.78,265.7 ccw(c-5791.79,298.83) R12A.2@-5768.36,275.4 ; R12A.2@-5756.69,265.7 -5536.17,265.7 -5439.66,169.18 -3915.07,169.18 v1(-3714.17,370.08) ; R12A.2@-5745.02,256 cw(c-5721.6,232.58) -5721.6,265.7 cw(c-5721.6,298.82) R12A.2@-5745.02,275.4 ; IC10.11@-3744.44,2613.47 cw(c-3758.1,2599.8) -3738.78,2599.8 cw(c-3719.46,2599.8) IC10.11@-3733.12,2613.47 ; IC10.11@-3738.78,2647.13 -3738.78,2167.13 -3714.17,2142.52 v1(-3714.17,434.65) ; -3727.51,356.74 cw(c-3714.17,343.4) -3714.17,362.26 ccw(c-3714.17,343.4) -3727.51,356.74 ; -3727.51,356.74 ccw(c-3740.86,370.08) -3721.99,370.08 cw(c-3740.86,370.08) -3727.51,356.74 ; -3714.17,453.51 cw(c-3733.04,453.51) -3719.7,440.17 ccw(c-3733.04,453.51) -3714.17,453.51 ; -3714.17,453.51 ccw(c-3695.31,453.51) -3708.65,440.17 cw(c-3695.31,453.51) -3714.17,453.51